# KiCad board 6502PC-6U.kicad_pcb (continued)
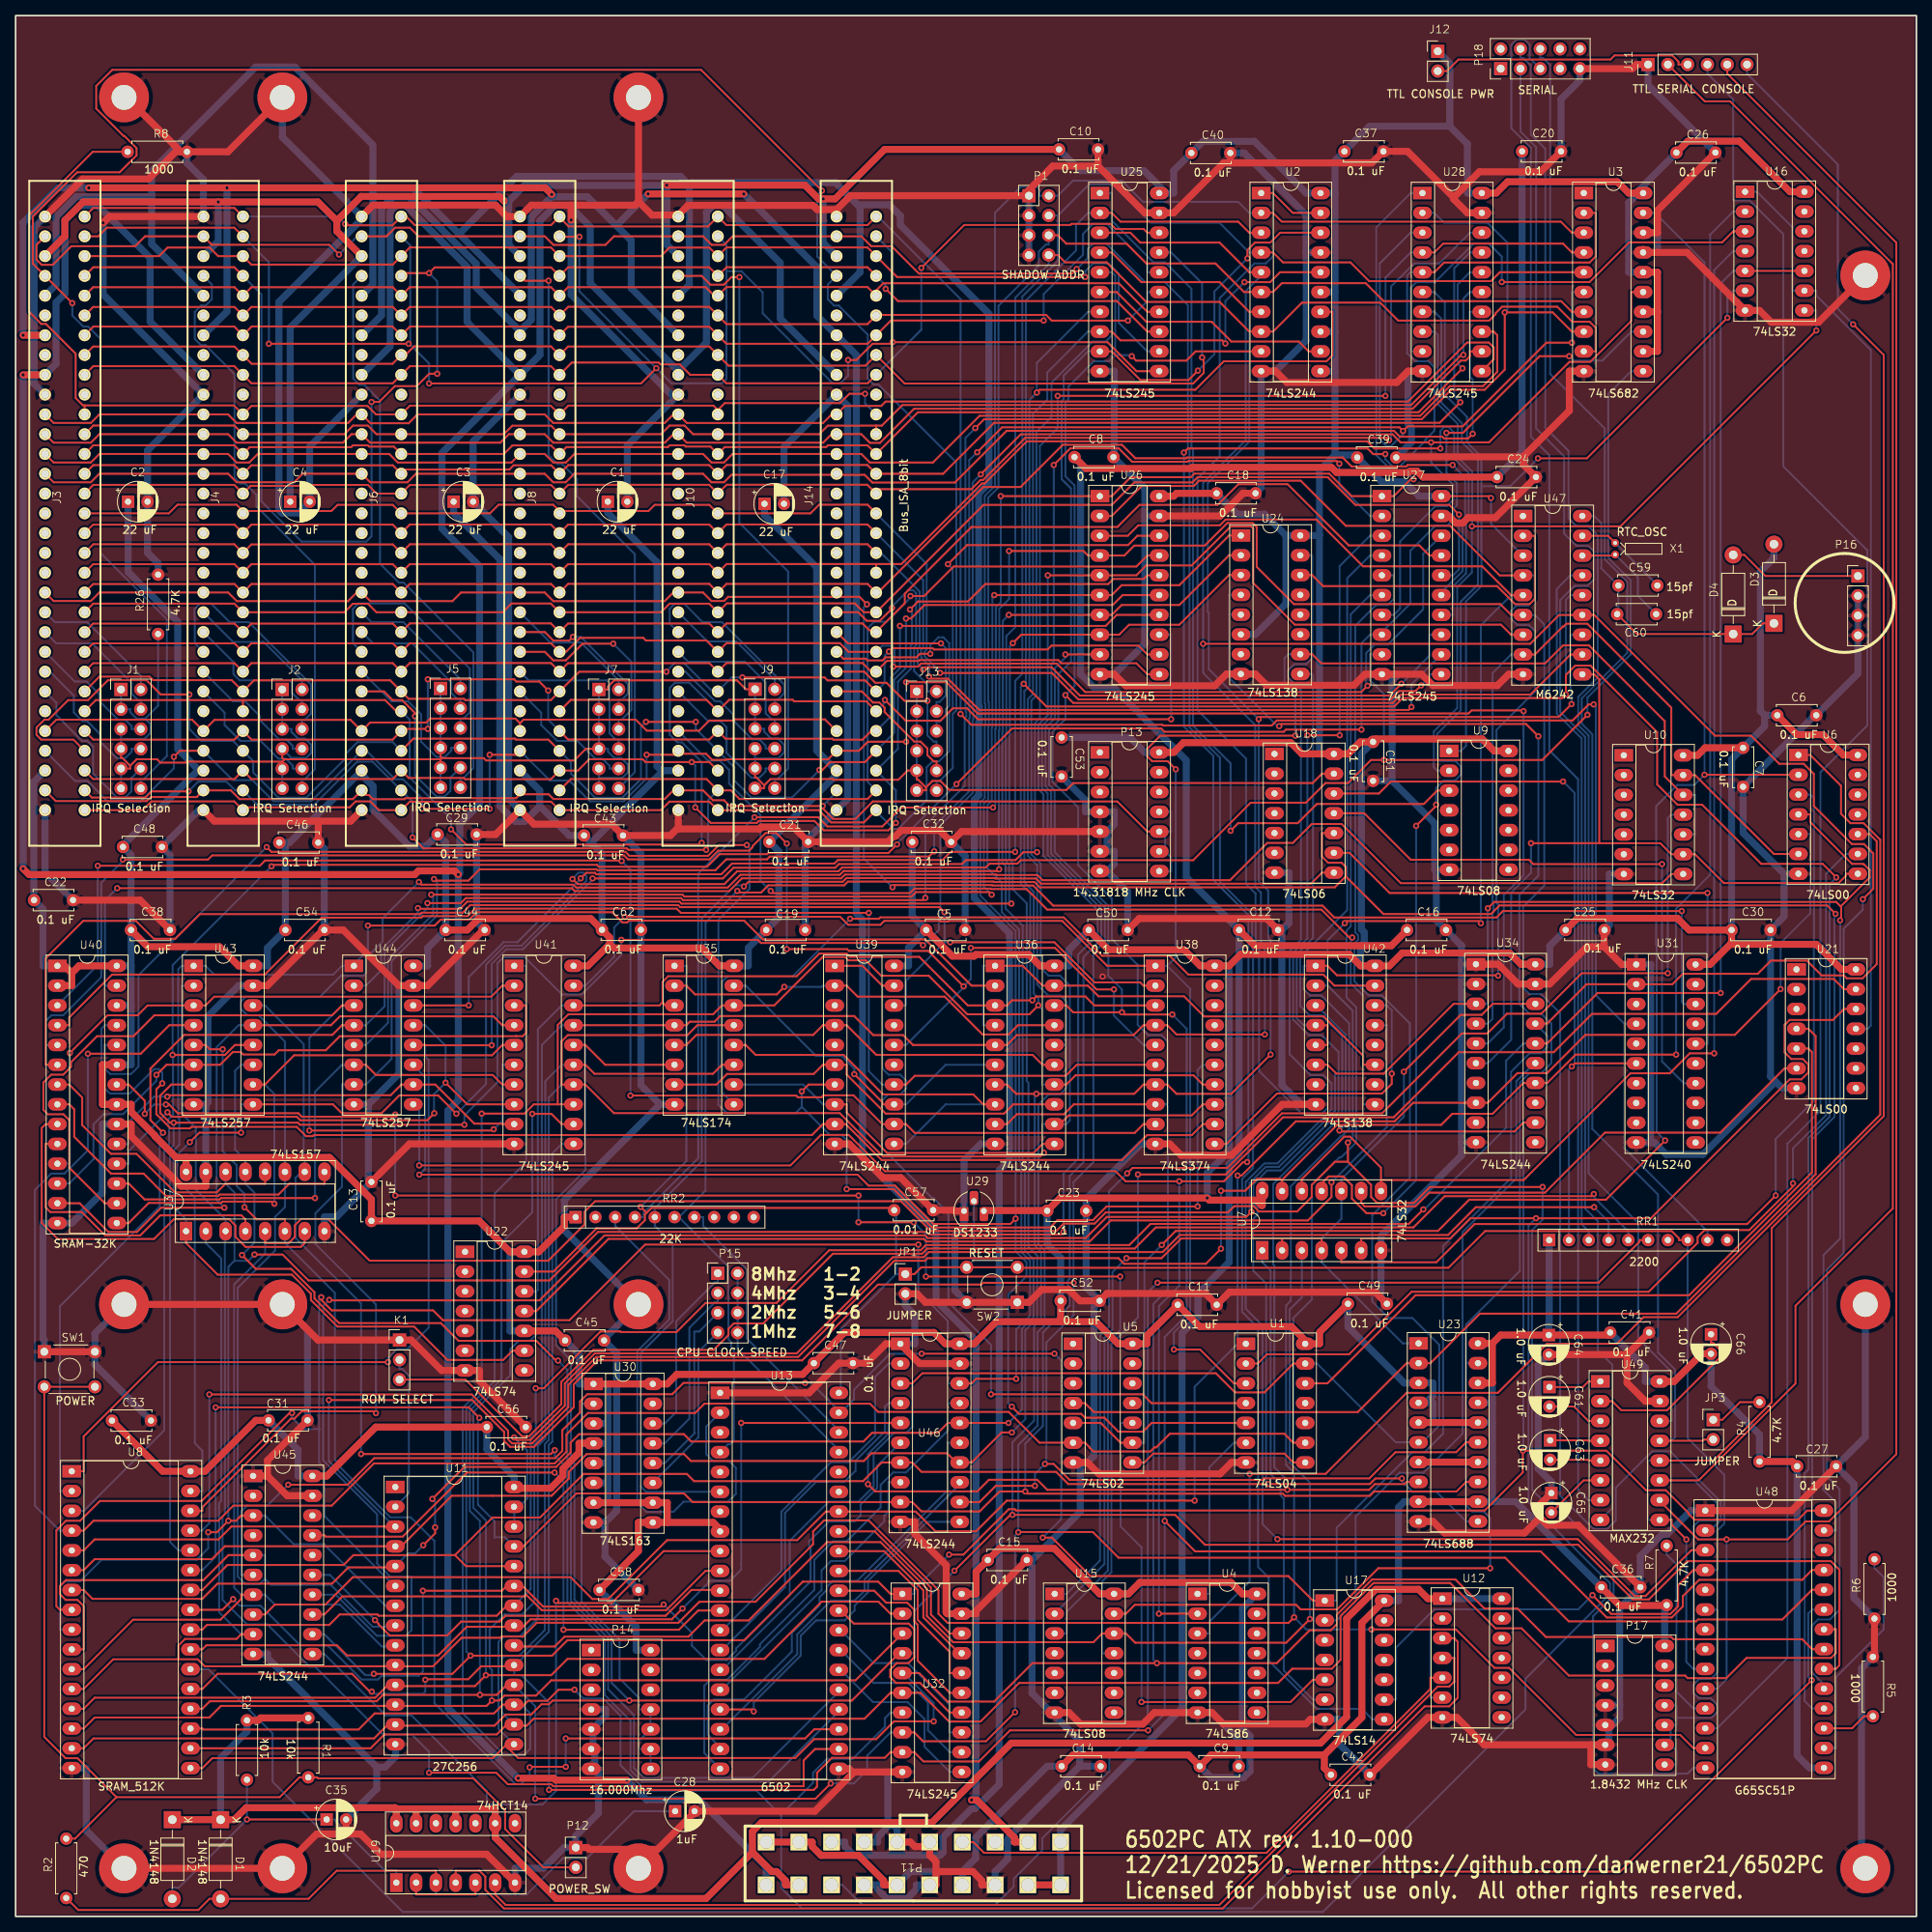
[diagram p0: board, top side]
## Routing (per net, layer and track width the routed paths; a pad name or vN(x,y) marks a point on that pad's centre or on a via; arc(x,y) is an arc through that point) (continued)
Net-(U47-XT1): length 12.3
  Top w0.25: U47.17 204.42,177.22 X1.2
  Bottom w0.25: C59.2 210.75,170.89 X1.2
Net-(U47-XT): length 14.1
  Top w0.25: X1.1 205.2,174.68 U47.16
  Bottom w0.25: X1.1 208.25,171.89 208.25,169.51 C60.2
Net-(U49-C1+): length 6.8
  Top w0.25: U49.1 201.9,68.68 201.18,67.95 C61.1
Net-(U49-C1-): length 7.3
  Top w0.25: U49.3 201.9,63.6 200.05,65.45 C61.2
Net-(U49-C2+): length 6.5
  Top w0.25: U49.4 201.9,61.06 201.85,61.11 C63.1
Net-(U49-C2-): length 6.5
  Top w0.25: U49.5 201.9,58.52 201.81,58.61 C63.2
Net-(U49-VS+): length 22.2
  Top w0.25: U49.2 204.95,66.14 206.12,64.97 211.99,64.97 218.76,71.75 218.76,72.76 217.92,73.6 217.63,73.6 C66.1
Net-(U49-VS-): length 8
  Top w0.25: C65.2 201.27,55.98 U49.6

## Copper pours and planes (outline as drawn; the poured copper is in the pictures)
GND on Top, Bottom: 0.01,243.99 0.01,0.15 243.85,0.15 243.85,243.99

## Text on the board
F.Silkscreen: 8Mhz   1-2 / 4Mhz   3-4 / 2Mhz   5-6 / 1Mhz   7-8 | 6502PC ATX rev. 1.10-000 / 12/21/2025 D. Werner https://github.com/danwerner21/6502PC / Licensed for hobbyist use only.  All other rights reserved.
